# KiCad board 8851_HW-U1-VCU118_REV2-0_071417.kicad_pcb (continued)
## Routing (per net, layer and track width the routed paths; a pad name or vN(x,y) marks a point on that pad's centre or on a via; arc(x,y) is an arc through that point) (continued)
PMBUS_SCL: length 532.6
  TOP w0.138: 139.58,117.05 141.55,117.05 v3(142.19,117.69)
  TOP w0.15: 178.1,44.95 178.75,44.95 178.88,45.08 179.13,45.08 v3(179.76,44.46) ; v3(164.56,139.54) 163.93,138.92 163.93,138.67 164.06,138.54 164.06,137.88 ; U165.12 174.26,42.23 v3(173.82,41.8)
  03_SIG1 w0.17: v3(152.87,111.62) 153.02,111.77 153.55,111.77 154.32,112.54 154.32,114.3 155.45,115.43 157.96,115.43 159.15,116.62 159.82,116.62 164.42,121.23 164.42,128.65 165.77,130 165.77,138.99 165.35,139.41 164.69,139.41 v3(164.56,139.54) ; v3(211.31,50.73) 211.38,50.65 211.38,49.41 211.91,48.88 212.8,48.88 213.3,49.38 213.3,52.48 211.48,54.3 211.48,57.92 210.11,59.29 210.11,59.91 v3(210.19,60) ; v3(176.56,138.85) 176.72,138.69 176.72,137.26 176.15,136.7 176.15,134 177.3,132.85 181.14,132.85 183.65,130.35 185.46,130.35 193.85,121.95 217.99,121.95 222.91,117.03 222.91,115.2 224,114.11 224.45,114.11 224.45,114.11 228.29,114.11 231.46,110.94 232.91,110.94 234.93,108.92 v3(235.75,108.92) ; J39.1 230.57,28 228.61,28 227.71,28.9 226.59,28.9 224.42,31.07 223.91,31.07 v3(223.52,30.68) 223.17,31.03 222.1,31.03 221.61,31.52 211.61,31.52 207.85,27.75 197.45,27.75 195.18,25.48 192.85,25.48 191.5,24.13 188.7,24.13 187.47,25.36 187.47,27.66 186.63,28.49 184.66,28.49 184.07,29.09 184.07,29.73 v3(183.95,29.85)
  05_SIG2 w0.17: v3(47.98,122.12) 47.88,122.02 46.84,122.02 46.27,122.59 46.27,123.42 48.05,125.2 52.23,125.2 54.03,127.01 54.03,127.83 54.35,128.15 55.01,128.81 57.51,128.81 61.96,133.25 61.96,136.53 62.71,137.29 62.71,138.23 v3(62.73,138.24) ; v3(235.75,108.92) 235.66,109.01 235.05,109.01 233.84,107.81 233.84,105.04 233.8,104.99 232.89,104.09 232.89,102.89 231.62,101.62 229.58,101.62 228.39,100.42 228.39,96.42 226.55,94.59 223.14,94.59 222.58,94.02 222.12,94.02 221.65,94.49 220.98,94.49 219.87,93.37 219.87,79.53 219.88,79.52 219.88,79.05 215.8,74.97 215.8,67.12 214.97,66.3 214.4,66.3 210.58,62.47 210.58,62.07 210.06,61.55 210.06,61.25 210.2,61.11 210.26,61.11 210.4,60.97 210.4,60.69 210.26,60.55 210.18,60.55 210.06,60.43 210.06,60.13 v3(210.19,60)
  07_SIG3 w0.17: v3(183.95,29.85) 184.02,29.78 184.02,28.72 183.55,28.25 182.64,28.25 180.82,30.07 180.82,42.3 179.67,43.45 179.67,44.38 v3(179.76,44.46) 179.76,44.68 179.15,45.28 178.96,45.28 178.26,45.98 178.26,47.96 177.71,48.51 177.71,48.93 179.67,50.89 182.18,50.89 183.29,52.01 183.29,53.62 183.98,54.31 187.4,54.31 189.1,52.6 189.1,50.65 190.12,49.63 194.89,49.63 198.96,53.7 206.12,53.7 208.12,51.7 208.3,51.7 208.44,51.56 208.44,50.94 208.66,50.72 209.13,50.72 209.29,50.89 209.29,51.48 209.51,51.7 211.11,51.7 211.51,51.3 211.51,50.93 v3(211.31,50.73) ; v3(176.56,138.85) 176.56,138.01 177.28,137.29 178.39,137.29 179.04,137.94 179.04,139.77 178.72,140.09 178.39,140.43 176.34,140.43 175.85,140.91 165.23,140.91 164.56,140.24 v3(164.56,139.54)
  14_SIG4 w0.087: v3(142.19,117.69) 141.98,117.49 141.98,117.22 142.13,117.08 142.56,117.08 142.73,117.25 142.73,117.77 142.84,117.87 143.25,117.87 144.02,117.1 145.76,117.1 148.61,114.25 148.61,112.46 149.73,111.35 151.22,111.35 151.62,111.75 152.11,111.75 152.28,111.58 152.28,111.13 152.41,110.99 152.68,110.99 152.87,111.19 v3(152.87,111.62)
  BOTTOM w0.15: v3(210.19,60) 209.67,60.52 209.67,61.12 ; v3(173.82,41.8) 173.87,41.84 173.87,42.57 ; v3(47.98,122.12) 47.46,121.6 46.85,121.6 ; 177.08,137.73 177.08,138.33 v3(176.56,138.85) ; v3(62.73,138.24) 63.02,138.24 63.91,139.14 64.59,139.14 68.67,143.22 109.58,143.22 110.92,141.88 110.92,134.15 114.15,130.92 128.72,130.92 132.78,134.98 137.55,134.98 142.53,130.01 142.53,129.51 143.2,128.84 147.9,128.84 148.42,128.32 148.42,125.89 145.46,122.94 145.46,118.76 144.39,117.69 v3(142.19,117.69) 141.72,117.69 141.08,117.05 140.61,117.05 139.63,116.07 R622.2 ; R501.2 v3(223.52,30.68) ; 184.47,28.72 184.47,29.33 v3(183.95,29.85) ; v3(152.87,111.62) 153.39,112.14 154,112.14 ; v3(211.31,50.73) 211.83,50.21 211.83,49.6
  BOTTOM w0.212: 234.32,108.47 235.03,108.47 235.49,108.92 v3(235.75,108.92)
  BOTTOM w0.25: 206.94,58.99 206.94,59.6 207.21,59.87 U6.10
  BOTTOM w0.275: v4(230.32,103.22) 230.49,103.39 U164.12
PMBUS_SDA: length 539
  TOP w0.138: 139.58,116.41 v3(140.94,116.41)
  TOP w0.15: v3(164.56,138.79) 164.56,137.88 ; v3(179.01,44.46) 178.1,44.46 ; U165.11 173.76,42.59 v3(173.01,41.83)
  03_SIG1 w0.17: v3(152.87,112.37) 152.93,112.32 153.32,112.32 153.77,112.77 153.77,114.53 155.22,115.97 157.74,115.97 158.93,117.16 159.59,117.16 163.88,121.45 163.88,128.88 165.23,130.23 165.23,137.2 165.06,137.37 164.26,137.37 164.11,137.52 164.11,137.86 164.29,138.04 165.06,138.04 165.23,138.21 165.23,138.76 165.13,138.86 164.63,138.86 v3(164.56,138.79) ; v3(209.44,60) 209.56,59.88 209.56,59.06 210.93,57.69 210.93,54.07 212.76,52.25 212.76,52 212.61,51.85 211.85,51.85 211.68,51.68 211.68,51.51 211.85,51.34 212.61,51.34 212.76,51.19 212.76,49.6 212.58,49.42 212.13,49.42 211.93,49.63 211.93,50.59 v3(212.06,50.73) ; v3(184.7,29.85) 184.62,29.76 184.62,29.31 184.89,29.04 186.86,29.04 188.01,27.89 188.01,25.59 188.93,24.68 191.15,24.68 193.22,26.75 195.62,26.75 197.18,28.3 207.62,28.3 211.38,32.06 221.84,32.06 222.32,31.57 222.66,31.57 222.77,31.68 222.77,32.22 222.97,32.42 223.33,32.42 223.52,32.23 v3(223.52,31.93) 223.83,31.61 224.64,31.61 226.81,29.45 227.72,29.45 228.68,30.41 230.67,30.41 231.8,29.27 ; v3(235.63,109.66) 235.44,109.47 235.15,109.47 233.14,111.48 231.68,111.48 228.51,114.65 224.22,114.65 223.45,115.42 223.45,117.26 218.22,122.49 194.08,122.49 185.68,130.89 183.87,130.89 181.37,133.39 177.52,133.39 176.69,134.23 176.69,136.47 177.31,137.09 177.31,137.91 177.48,138.08 177.8,138.08 177.93,138.21 177.93,138.72 177.79,138.85 v3(177.31,138.85)
  05_SIG2 w0.17: v3(62.73,139.01) 62.17,138.45 62.17,138.31 61.19,137.33 61.19,136.81 61.41,136.59 61.41,133.48 57.29,129.36 54.78,129.36 53.49,128.06 53.49,127.24 52,125.74 47.82,125.74 45.73,123.65 45.73,122.37 46.62,121.48 47.87,121.48 v3(47.98,121.37) ; v3(209.44,60) 209.51,60.07 209.51,61.06 209.51,61.78 210.03,62.3 210.03,62.7 210.12,62.79 210.12,62.79 210.44,63.11 214.2,66.87 214.75,66.87 215.25,67.37 215.25,75.21 219.32,79.28 219.32,93.6 220.86,95.13 226.32,95.13 227.84,96.65 227.84,100.65 229.35,102.16 231.4,102.16 232.35,103.11 232.35,104.32 233.17,105.13 233.3,105.26 233.3,108.03 234.82,109.56 235.53,109.56 v3(235.63,109.66)
  07_SIG3 w0.17: v3(184.7,29.85) 184.56,29.7 184.56,28.49 183.77,27.71 183.32,27.71 182.42,27.71 180.28,29.85 180.28,42.07 179.13,43.22 179.13,44.34 v3(179.01,44.46) 177.72,45.75 177.72,45.9 177.72,45.9 177.72,47.73 177.17,48.28 177.17,49.16 179.44,51.43 181.95,51.43 182.75,52.23 182.75,53.85 183.75,54.85 187.62,54.85 189.65,52.83 189.65,50.88 190.35,50.18 194.67,50.18 198.42,53.93 198.74,54.25 206.35,54.25 208.35,52.25 211.33,52.25 212.06,51.52 v3(212.06,50.73) ; v3(164.56,138.79) 164.79,138.79 165.1,139.1 165.1,139.53 165.23,139.66 165.64,139.66 165.94,139.96 165.94,140.24 166.07,140.36 175.63,140.36 176.11,139.88 176.22,139.88 176.36,139.74 176.36,139.48 176.48,139.36 176.68,139.36 176.83,139.51 176.83,139.76 176.95,139.88 177.22,139.88 177.35,139.75 177.35,139.5 177.45,139.4 177.71,139.4 177.8,139.5 177.8,139.76 177.92,139.88 178.16,139.88 178.5,139.55 178.5,139.26 178.37,139.13 178,139.13 177.85,138.98 177.85,138.7 178.04,138.51 178.41,138.51 178.5,138.42 178.5,138.17 178.16,137.83 177.51,137.83 177.15,138.2 177.15,138.69 v3(177.31,138.85)
  14_SIG4 w0.087: v3(152.87,112.37) 152.63,112.37 152.5,112.25 151.41,112.25 151.01,111.85 149.93,111.85 149.11,112.67 149.11,114.05 149.11,114.46 145.97,117.6 144.22,117.6 143.45,118.37 142.17,118.37 141.98,118.19 141.44,117.64 141.44,116.91 v3(140.94,116.41)
  BOTTOM w0.15: 209.18,61.12 209.18,60.26 v3(209.44,60) ; 184.97,28.72 184.97,29.56 184.95,29.6 v3(184.7,29.85) ; R502.2 v3(223.52,31.93) ; v3(177.31,138.85) 177.57,138.59 177.57,137.73 ; v3(47.98,121.37) 47.72,121.11 46.85,121.11 ; 172.87,42.57 173.01,42.43 v3(173.01,41.83) ; 212.32,49.6 212.32,50.46 v3(212.06,50.73) ; 154,112.63 153.14,112.63 v3(152.87,112.37) ; R621.2 139.47,114.94 v3(140.94,116.41) 141.68,117.15 145.53,117.15 146.57,118.2 146.57,123.55 148.77,125.75 148.77,128.55 148.07,129.25 143.29,129.25 142.88,129.66 142.88,130.16 137.59,135.44 132.75,135.44 128.58,131.27 114.3,131.27 111.28,134.29 111.28,142.08 109.67,143.68 68.48,143.68 64.29,139.49 63.77,139.49 63.29,139.01 v3(62.73,139.01)
  BOTTOM w0.212: v3(235.63,109.66) 234.93,108.96 234.32,108.96
  BOTTOM w0.25: 155,108.15 155,109.69 155.64,110.32 U9.11 ; 208.07,58.99 207.7,59.35 U6.11 ; U164.11 229.99,103.76 228.54,102.3
PMOD0_0: length 12.5
  03_SIG1 w0.17: v3(220.45,73.77) 220.45,73.19 220.64,73 221.09,73 221.3,73.21 221.3,73.64 221.47,73.81 221.98,73.81 222.13,73.66 222.13,72.87 222.31,72.68 222.72,72.68 222.89,72.86 222.89,73.49 223.06,73.66 223.47,73.66 223.64,73.49 223.64,72.98 223.93,72.68 226.33,72.68 227.55,71.47
  BOTTOM w0.15: U41.18 v3(220.45,73.77)
PMOD0_0_LS: length 176.5
  TOP w0.15: v2(133.11,54.96) 132.62,55.46
  07_SIG3 w0.17: v3(208.38,77.94) 206.92,76.48 191.14,76.48 189.79,75.14 189.79,74.9 190.26,74.43 190.26,74.19 189.9,73.83 189.66,73.83 189.19,74.3 188.95,74.3 186.41,71.75 184.65,71.75 183.36,70.46 183.36,70.22 183.67,69.9 183.67,69.66 183.31,69.3 183.07,69.3 182.76,69.62 182.52,69.62 182.15,69.26 182.15,69.02 182.47,68.7 182.47,68.46 182.11,68.1 181.87,68.1 181.55,68.42 181.31,68.42 180.95,68.06 180.95,67.82 181.27,67.5 181.27,67.26 180.91,66.9 180.67,66.9 180.35,67.22 180.11,67.22 179.22,66.32 179.22,65.96 175.22,61.96 175.22,60.11 168.64,53.53 168.64,52.32 167.03,50.7 167.03,45.77 168.57,44.22 168.57,41.71 168.95,41.33 168.95,33.35 168.14,32.54 168.14,28.33 164.3,24.49 158.36,24.49 157.73,23.86 155.72,23.86 154.71,22.85 150.15,22.85 148.68,24.33 144.68,24.33 142.97,26.03 137.6,26.03 137.03,25.45 134.97,25.45 134.4,26.03 132.43,26.03 131.72,25.32 127.05,25.32 v3(126.99,25.38)
  20_SIG7 w0.087: v2(133.11,54.96) 133.6,54.47 133.6,51.81 133.89,51.52 134.3,51.52 134.58,51.23 134.58,50.82 134.87,50.53 135.28,50.53 135.57,50.25 135.57,47.74 135.37,47.55 134.89,47.55 134.63,47.3 134.63,46.94 134.37,46.68 133.92,46.68 133.57,46.33 133.57,39.43 128.78,34.63 128.78,29.28 126.46,26.97 126.46,25.71 126.55,25.62 126.74,25.62 v3(126.99,25.38)
  BOTTOM w0.15: 213.5,70.58 212.27,70.58 211.92,70.92 210.38,70.92 208.22,73.08 208.22,77.78 v3(208.38,77.94)
PMOD0_1: length 24.6
  03_SIG1 w0.17: v3(218.05,73.13) 218.05,73.45 220.27,75.67 225.85,75.67 227.55,73.97 ; 225.05,71.47 225.05,70.58 224.69,70.22 224.1,70.22 223.69,70.63 222.72,70.63 222.63,70.55 222.63,70.23 222.47,70.07 222.04,70.07 221.9,70.22 221.9,71.1 222.03,71.23 222.55,71.23 222.71,71.39 222.71,71.69 222.54,71.86 221.35,71.86 221.16,71.67 221.16,70.88 220.92,70.63 220.62,70.63 220.45,70.8 v3(220.45,71.22)
  BOTTOM w0.15: 219.25,71.22 v3(220.45,71.22) ; U41.17 v3(218.05,73.13)
PMOD0_1_LS: length 178
  TOP w0.15: v2(133.11,55.95) 132.62,56.44
  07_SIG3 w0.17: v3(210.23,78.57) 197.91,78.57 197.74,78.4 197.74,77.97 197.58,77.82 197.07,77.82 196.89,78 196.89,78.4 196.72,78.57 196.21,78.57 196.04,78.4 196.04,77.45 195.87,77.28 195.36,77.28 195.19,77.45 195.19,78.4 195.02,78.57 194.51,78.57 194.34,78.4 194.34,77.45 194.17,77.28 193.66,77.28 193.49,77.45 193.49,78.4 193.32,78.57 191.77,78.57 185.87,72.67 184.3,72.67 172.05,60.42 172.05,58.45 166.43,52.82 166.43,44.5 167.34,43.59 167.34,38.95 166.43,38.04 166.43,32 165.61,31.18 165.61,27.11 163.6,25.1 160.02,25.1 159.86,25.26 155.55,25.26 155.22,24.93 152.78,24.93 151.82,23.98 149.95,23.98 148.99,24.93 144.99,24.93 142.57,27.35 137.07,27.35 136.85,27.12 128.31,27.12 127.36,26.17 v3(127.36,26.07)
  20_SIG7 w0.087: v2(133.11,55.95) 133.11,55.62 133.63,55.1 133.63,54.77 133.9,54.5 134.22,54.5 134.61,54.11 134.61,51.82 134.88,51.55 135.21,51.55 135.54,51.22 135.54,50.89 135.87,50.56 136.26,50.56 136.55,50.27 136.55,47.86 136.22,47.52 135.84,47.52 135.56,47.24 135.56,46.84 135.27,46.55 134.84,46.55 134.6,46.31 134.6,39.69 129.43,34.51 129.43,29.16 127.36,27.1 v3(127.36,26.07)
  BOTTOM w0.15: 213.5,71.22 212.13,71.22 212.07,71.27 210.9,71.27 208.58,73.59 208.58,76.93 v3(210.23,78.57)
PMOD0_2: length 24.8
  03_SIG1 w0.17: 225.05,68.97 222.92,68.97 222.47,69.42 220.06,69.42 219.86,69.22 219.86,68.75 219.68,68.57 218.89,68.57 218.63,68.84 218.63,70.14 219.3,70.81 219.3,71.62 219.06,71.86 v3(218.05,71.86)
  05_SIG2 w0.17: v3(220.45,72.49) 220.45,73 220.65,73.2 221.65,73.2 222.1,72.75 222.1,69.48 223.41,68.16 223.41,66.95 223.89,66.47 225.05,66.47
  BOTTOM w0.15: 219.25,71.86 v3(218.05,71.86) ; U41.16 v3(220.45,72.49)
PMOD0_2_LS: length 175.9
  TOP w0.15: v2(132.12,55.95) 131.63,56.44
  07_SIG3 w0.17: v3(125.82,24.77) 132.42,24.77 132.62,24.98 133.51,24.98 133.58,24.91 137.25,24.91 137.83,25.48 142.75,25.48 144.4,23.83 148.26,23.83 150.25,21.83 157.34,21.83 157.61,21.56 157.61,21.15 157.92,20.84 158.62,20.84 158.99,20.48 160.03,20.48 160.39,20.84 162.11,20.84 163.55,22.28 166.19,22.28 167.48,23.57 168.98,23.57 171.06,25.65 171.06,26.71 173.95,29.6 174.83,29.6 178.4,33.17 178.4,41.58 177.33,42.65 175.78,42.65 174.65,43.78 173.65,43.78 173.24,44.19 173.24,47.38 173.76,47.9 173.76,49.28 172.82,50.22 172.82,52.43 176.24,55.84 179.73,55.84 183.58,59.7 183.58,61.41 190.87,68.69 194.52,68.69 199.87,74.04 207.62,74.04 v3(209.24,75.67)
  20_SIG7 w0.087: v3(125.82,24.77) 125.82,27.11 128.22,29.5 128.22,34.85 132.62,39.25 132.62,46.31 132.9,46.6 133.3,46.6 133.58,46.89 133.58,47.26 133.81,47.48 134.37,47.48 134.58,47.69 134.58,50.25 134.3,50.53 133.89,50.53 133.6,50.82 133.6,51.23 133.31,51.52 132.9,51.52 132.62,51.81 132.62,55.46 v2(132.12,55.95)
  BOTTOM w0.15: 213.5,71.86 211.57,71.86 209.24,74.18 v3(209.24,75.67)
PMOD0_3_LS: length 177
  TOP w0.15: v2(131.14,55.95) 130.65,56.44
  07_SIG3 w0.17: v3(124.77,23.61) 131.36,23.61 133.1,21.88 137.68,21.88 138.25,22.45 139.12,22.45 139.78,23.1 141.05,23.1 141.68,22.48 143.88,22.48 146.45,19.9 154.35,19.9 154.74,19.51 157.23,19.51 157.53,19.21 157.53,18.79 157.85,18.46 159.18,18.46 159.93,17.72 164.77,17.72 165.5,18.45 165.5,19.85 166.94,21.29 166.94,21.46 167.67,22.19 168.31,22.19 168.52,21.98 170.68,21.98 172.19,23.49 172.19,26.07 174.4,28.28 175.05,28.28 179.65,32.88 179.65,41.87 179.13,42.39 177.78,43.74 177.64,43.74 177.16,44.21 177.16,47.39 176.1,48.46 176.1,51.98 178.75,54.62 180.05,54.62 180.18,54.75 181.88,56.45 185.41,56.45 186.84,57.88 187.39,57.88 190.13,60.63 190.13,63.36 193.47,66.71 195.16,66.71 201.27,72.82 208.09,72.82 210.44,75.17 v3(210.44,75.55)
  20_SIG7 w0.087: v3(124.77,23.61) 124.75,23.63 124.75,28.08 126.09,29.41 126.09,30.39 126.83,31.12 126.83,35 130.65,38.82 130.65,46.42 130.85,46.62 131.36,46.62 131.64,46.89 131.64,47.4 131.87,47.63 132.47,47.63 132.62,47.78 132.62,50.3 132.38,50.53 131.92,50.53 131.63,50.82 131.63,51.26 131.53,51.36 131.53,55.55 v2(131.14,55.95)
  BOTTOM w0.15: v3(210.44,75.55) 210.44,74.18 212.12,72.49 213.5,72.49
PMOD0_4_LS: length 179.6
  TOP w0.15: 130.65,57.42 130.65,57.42 v2(131.14,56.93)
  07_SIG3 w0.17: v3(125.25,24.18) 132,24.18 132.57,23.6 133.93,23.6 134.4,24.08 138.03,24.08 138.68,24.73 140.4,24.73 141.95,23.18 143.92,23.18 146.7,20.4 154.47,20.4 154.96,20.88 157.04,20.88 157.53,20.4 157.53,20.16 158.68,19.01 159.41,19.01 159.78,18.64 163.52,18.64 166.32,21.45 166.32,21.63 167.72,23.03 170.48,23.03 171.6,24.15 171.6,26.31 174.35,29.06 175.06,29.06 179.07,33.08 179.07,41.67 178.52,42.23 177.55,43.2 177.05,43.2 175.87,44.38 175.87,46.46 175.37,46.96 175.37,48.69 173.37,50.69 173.37,52.06 176.6,55.3 179.96,55.3 180.28,55.62 181.7,57.04 185.23,57.04 186.61,58.43 186.92,58.43 189.32,60.83 189.32,63.33 193.52,67.52 194.36,67.52 200.33,73.5 207.85,73.5 209.81,75.47 209.81,75.86 210.14,76.18 210.69,76.18 v3(211.37,75.5)
  20_SIG7 w0.087: v2(131.14,56.93) 131.73,56.34 131.73,51.75 131.96,51.52 132.33,51.52 132.62,51.23 132.62,50.82 132.9,50.53 133.31,50.53 133.6,50.25 133.6,47.84 133.4,47.65 132.99,47.65 132.59,47.24 132.59,46.91 132.34,46.67 131.8,46.67 131.63,46.5 131.63,39.03 127.44,34.84 127.44,29.49 125.25,27.3 v3(125.25,24.18)
  BOTTOM w0.15: 213.5,73.13 211.98,73.13 211.37,73.74 v3(211.37,75.5)
PMOD0_5: length 11.7
  03_SIG1 w0.17: v3(218.05,70.58) 217.48,71.14 217.48,72.09 217.94,72.55 218.39,72.55 220.29,74.44 223.63,74.44 224.11,73.97 225.05,73.97
  BOTTOM w0.15: U41.13 v3(218.05,70.58)
PMOD0_5_LS: length 181.6
  TOP w0.15: 129.66,57.42 129.66,57.42 v2(130.15,56.93)
  07_SIG3 w0.17: v3(159.28,21.1) 159.88,21.1 160.16,21.39 161.85,21.39 163.29,22.83 165.96,22.83 167.25,24.12 168.75,24.12 170.51,25.88 170.51,26.93 173.73,30.15 174.6,30.15 175.56,31.1 175.56,33.04 177.5,34.98 177.5,39.7 177.05,40.15 174.32,40.15 173.35,41.12 171.82,41.12 171.5,41.45 171.5,42.2 172.69,43.39 172.69,47.6 173.21,48.13 173.21,49.05 172.28,49.99 172.28,53.14 176.72,57.58 176.96,57.58 177.31,57.23 177.56,57.23 177.92,57.59 177.92,57.83 177.56,58.18 177.56,58.42 178.96,59.82 178.96,60.52 180.65,62.22 183.26,62.22 191.33,70.28 191.57,70.28 192.4,69.45 192.68,69.45 193.02,69.8 193.02,70.04 192.17,70.89 192.17,71.13 192.53,71.49 192.77,71.49 194.46,69.8 194.73,69.8 195.07,70.15 195.07,70.39 193.37,72.09 193.37,72.33 193.73,72.69 193.97,72.69 195.59,71.07 195.91,71.07 196.23,71.39 196.23,71.63 194.57,73.29 194.57,73.53 195.63,74.59 196.23,74.59 196.4,74.42 196.4,72.68 196.62,72.46 197.08,72.46 197.25,72.63 197.25,74.42 197.42,74.59 197.93,74.59 198.1,74.42 198.1,73.96 198.27,73.79 198.78,73.79 198.95,73.96 198.95,74.42 199.12,74.59 207.39,74.59 209.67,76.86 211.21,76.86 v3(211.78,76.3)
  16_SIG5 w0.087: v3(159.28,21.1) 159.9,21.1 160.72,21.93 160.72,23.2 157.62,26.3 151.65,26.3 148.53,29.43 146.75,29.43 137.2,38.98 134.15,38.98 131.63,41.49 131.63,46.46 131.49,46.61 131,46.61 130.75,46.86 130.75,48.24 130.38,48.62 130.07,48.62 129.77,48.91 129.77,49.28 129.39,49.66 128.96,49.66 128.78,49.85 128.78,55.15 128.99,55.36 129.45,55.36 129.76,55.67 129.76,56.54 v2(130.15,56.93)
  BOTTOM w0.15: v3(211.78,76.3) 211.78,75.8 211.91,75.67 211.91,73.92 212.06,73.77 213.5,73.77
PMOD0_6: length 15.3
  05_SIG2 w0.17: v3(218.05,74.41) 219.4,75.76 220.96,75.76 223.85,72.87 223.85,70.77 224.4,70.22 226.3,70.22 227.55,68.97
  BOTTOM w0.15: 219.25,74.41 v3(218.05,74.41)
PMOD0_6_LS: length 179.2
  TOP w0.15: v2(129.17,55.95) 128.68,56.44
  07_SIG3 w0.17: v3(212.25,77.3) 211.64,77.3 211.49,77.45 209.49,77.45 207.17,75.13 195.41,75.13 183.04,62.76 180.42,62.76 178.41,60.75 178.41,60.04 171.1,52.73 171.1,52.49 171.66,51.93 171.66,51.69 171.3,51.33 171.06,51.33 170.5,51.89 170.25,51.89 169.89,51.53 169.89,51.29 170.72,50.46 170.72,50.19 170.37,49.85 170.13,49.85 169.61,50.37 169.22,50.37 169,50.14 169,49.04 169.17,48.87 169.66,48.87 169.83,48.7 169.83,48.19 169.66,48.02 169.17,48.02 169,47.85 169,47.34 169.17,47.17 169.97,47.17 170.14,47 170.14,46.49 169.97,46.32 169.17,46.32 169,46.15 169,45.64 169.17,45.47 170,45.47 170.25,45.72 171,45.72 171.18,45.9 171.18,46.4 171.35,46.58 171.85,46.58 172.05,46.38 172.05,44.5 171.85,44.3 170.17,44.3 169.81,43.94 169.81,42.67 170.09,42.38 170.09,34.43 171.2,33.33 172.68,33.33 173.03,32.98 173.03,30.22 172.76,29.95 172.51,29.95 171.97,30.5 171.7,30.5 171.37,30.16 171.37,29.89 171.91,29.35 171.91,29.1 169.93,27.12 169.93,26.16 169.5,25.74 169.26,25.74 168.62,26.39 168.38,26.39 168.02,26.03 168.02,25.79 168.66,25.14 168.66,24.9 168.42,24.66 167.41,24.66 167.04,25.04 166.61,25.04 165.83,24.25 165.83,24.07 165.14,23.37 160.64,23.37 159.68,22.41 159.68,21.84 159.48,21.65 158.41,21.65 v3(158.12,21.36)
  16_SIG5 w0.087: v2(129.17,55.95) 128.88,55.95 128.4,55.47 127.96,55.47 127.78,55.3 127.78,49.67 127.91,49.54 128.47,49.54 128.71,49.3 128.71,48.75 128.92,48.54 129.45,48.54 129.66,48.33 129.66,41.14 132.43,38.38 136.93,38.38 146.6,28.7 148.55,28.7 151.41,25.84 157.39,25.84 157.65,25.58 157.65,25.45 157.57,25.38 157.57,25.25 157.82,25.01 157.94,25.01 158.02,25.08 158.14,25.08 158.39,24.84 158.39,24.71 158.31,24.64 158.31,24.51 158.56,24.26 158.68,24.26 158.76,24.34 158.88,24.34 159.49,23.73 159.49,21.92 159.18,21.6 158.36,21.6 v3(158.12,21.36)
  BOTTOM w0.15: 213.5,74.41 212.51,74.41 212.33,74.6 212.33,76.46 212.25,76.53 v3(212.25,77.3)
  BOTTOM w0.375: U41.9 v3(214.62,69.94)
PMOD0_7: length 13.8
  05_SIG2 w0.17: 227.55,66.47 226.32,67.7 224.75,67.7 222.64,69.81 222.64,73.16 221.87,73.94 221.57,73.94 v3(220.45,75.05)
  BOTTOM w0.15: 219.25,75.05 v3(220.45,75.05)
PMOD0_7_LS: length 177.2
  TOP w0.15: v2(129.17,56.93) 128.68,57.42 128.68,57.42
  07_SIG3 w0.17: v3(159.02,22.19) 159.02,22.75 160.19,23.92 164.54,23.92 168.01,27.39 168.96,27.39 170.5,28.92 170.5,32.95 169.51,33.93 169.51,41.94 169.16,42.29 169.16,44.6 168.45,45.31 168.45,50.98 175.85,58.39 175.85,61.72 178.21,64.07 179.74,64.07 181.59,65.92 181.83,65.92 183.23,64.51 183.47,64.51 183.83,64.88 183.83,65.12 182.43,66.52 182.43,66.76 182.79,67.12 183.03,67.12 184.43,65.72 184.67,65.72 185.03,66.08 185.03,66.32 183.63,67.72 183.63,67.96 183.99,68.32 184.23,68.32 185.63,66.92 185.95,66.92 186.26,67.23 186.26,67.47 185.39,68.34 185.39,68.58 185.75,68.94 185.99,68.94 186.86,68.07 187.1,68.07 187.46,68.43 187.46,68.67 186.59,69.54 186.59,69.78 186.95,70.14 187.19,70.14 188.06,69.27 188.3,69.27 188.66,69.63 188.66,69.87 187.79,70.74 187.79,70.98 188.15,71.34 188.39,71.34 189.26,70.47 189.5,70.47 194.71,75.68 206.89,75.68 209.23,78.02 212.51,78.02 213.15,77.38 v3(213.15,76.79)
  16_SIG5 w0.087: v2(129.17,56.93) 128.61,56.37 127.86,56.37 127.61,56.12 127.61,48.85 127.85,48.6 128.47,48.6 128.68,48.39 128.68,40.79 131.75,37.73 136.78,37.73 146.53,27.98 148.6,27.98 151.2,25.38 156.7,25.38 157.39,24.69 157.39,24.57 156.73,23.91 156.73,23.79 156.98,23.54 157.11,23.54 157.76,24.19 157.88,24.19 159.02,23.05 v3(159.02,22.19)
  BOTTOM w0.15: v3(213.15,76.79) 213.15,76.06 212.72,75.64 212.72,75.22 212.9,75.05 213.5,75.05
  BOTTOM w0.375: U41.10 214.25,69.3 v3(214.62,68.92)
PMOD1_0: length 13.3
  03_SIG1 w0.17: v3(228.23,88.02) 227.7,88.56 226.37,88.56 226.24,88.7 226.24,89.05 226.4,89.22 227.7,89.22 227.87,89.38 227.87,89.88 228.03,90.05 229.47,90.05 229.71,89.8 229.71,89.41 229.83,89.29 230.21,89.29 230.35,89.43 230.35,89.93 230.47,90.05 231.1,90.05 231.23,90.17 J53.1
  BOTTOM w0.15: 228.87,85.58 228.87,87.39 v3(228.23,88.02)
PMOD1_0_LS: length 256
  TOP w0.15: v2(105.55,69.73) 106.04,69.24
  14_SIG4 w0.087: v3(228.25,77.15) 228.25,77.53 228.11,77.66 227.68,77.66 227.55,77.53 227.55,76.45 227.22,76.12 217.9,76.12 216.05,74.27 203.73,74.27 201.08,71.62 200.9,71.62 200.59,71.93 200.59,72.11 201.27,72.78 201.27,72.96 201.01,73.22 200.83,73.22 200.16,72.54 199.98,72.54 199.76,72.76 199.59,72.76 199.33,72.5 199.33,72.33 200.47,71.19 200.47,71.01 200.21,70.75 200.04,70.75 198.9,71.89 198.73,71.89 198.47,71.63 198.47,71.46 199.61,70.32 199.61,70.15 199.06,69.61 198.6,69.61 198.48,69.73 198.48,70.69 198.36,70.82 197.99,70.82 197.87,70.69 197.87,69.73 197.74,69.61 190.11,69.61 182.19,61.68 182.19,59.41 181.15,58.37 181.15,54.79 181.15,54.38 180.75,53.98 180.75,49.94 181.58,49.11 181.58,48.51 180.46,47.39 180.46,46.72 181.74,45.44 181.74,43.06 180.73,42.05 180.73,28.47 177.61,25.36 177.61,23.79 170.75,16.92 166.8,16.92 164.78,14.9 162.6,14.9 162.36,15.14 156.9,15.14 156.2,14.44 137.54,14.44 134.73,17.26 133.89,17.26 132.72,18.43 127.6,18.43 125.38,20.65 122.08,20.65 118.55,24.18 118,24.18 117.58,23.75 v3(117.58,23.7)
  18_SIG6 w0.087: v3(117.58,23.7) 117.45,23.58 114.73,23.58 113.66,24.65 111.26,24.65 109.22,26.69 108.58,26.69 108.36,26.47 108.36,25.84 108.18,25.67 107.13,25.67 106.99,25.81 106.99,26.79 106.75,27.02 105.21,27.02 104.91,26.72 103.86,26.72 102.98,27.6 102.98,28.09 103.06,28.17 103.89,28.17 104.38,28.66 104.38,29.11 103.27,30.22 102.27,30.22 100.98,31.5 100.98,32.4 100.13,33.25 100.13,33.58 100.3,33.75 101.52,33.75 101.7,33.93 101.7,34.44 101.55,34.6 100.3,34.6 100.13,34.77 100.13,35.28 100.3,35.45 101.52,35.45 101.7,35.63 101.7,36.14 101.55,36.3 100.3,36.3 100.13,36.47 100.13,36.98 100.3,37.15 101.71,37.15 101.88,37.32 101.88,37.83 101.71,38 100.3,38 100.13,38.17 100.13,57.14 100.42,57.42 100.83,57.42 101.12,57.71 101.12,58.23 101.32,58.43 101.8,58.43 102,58.63 102,60.15 102.33,60.48 102.78,60.48 102.99,60.68 102.99,61.14 103.3,61.46 103.75,61.46 103.97,61.68 103.97,62.12 104.29,62.44 104.73,62.44 104.96,62.67 104.96,63.11 105.28,63.43 105.72,63.43 105.94,63.65 105.94,64.37 106.93,65.36 106.93,68.04 106.71,68.25 106.33,68.25 106.14,68.44 106.14,69.14 v2(105.55,69.73)
  BOTTOM w0.15: v3(228.25,77.15) 228.87,77.77 228.87,79.83
PMOD1_1: length 29.2
  03_SIG1 w0.17: v3(225.68,88.02) 225.68,89.42 226.84,90.59 230.87,90.59 231.67,91.39 233.58,91.39 J53.3 ; 232.3,87.67 231.07,86.45 231.07,84.82 230.9,84.65 229.19,84.65 229.03,84.81 229.03,85.19 229.19,85.35 229.79,85.35 229.96,85.52 229.96,85.87 229.79,86.04 228.56,86.04 228.4,85.88 228.4,84.85 228.2,84.65 227.8,84.65 227.61,84.84 227.61,86.5 227.89,86.77 v3(228.23,86.77)
  BOTTOM w0.15: 226.32,85.58 226.32,87.39 v3(225.68,88.02) ; 228.23,85.58 v3(228.23,86.77)
PMOD1_1_LS: length 254
  TOP w0.15: 105.06,71.2 v2(104.56,71.7)
  14_SIG4 w0.087: v3(118.34,23.68) 121.87,20.15 125.17,20.15 127.52,17.8 128.73,17.8 131.41,15.12 132.31,15.12 133.44,13.98 156.39,13.98 156.55,13.83 157.53,13.83 158.35,14.65 161.93,14.65 162.9,13.68 170.98,13.68 174.02,16.72 174.04,16.72 175.49,18.17 175.49,18.34 174.51,19.31 174.51,19.49 174.86,19.83 175.03,19.83 176.01,18.86 176.18,18.86 176.53,19.21 176.53,19.38 175.55,20.35 175.55,20.53 175.9,20.87 176.07,20.87 177.05,19.9 177.22,19.9 177.57,20.25 177.57,20.42 176.59,21.39 176.59,21.57 176.94,21.91 177.11,21.91 178.09,20.94 178.26,20.94 178.6,21.29 178.6,21.46 177.63,22.43 177.63,22.61 177.98,22.95 178.15,22.95 179.12,21.98 179.3,21.98 180.47,23.16 180.47,27.49 181.24,28.25 181.24,41.89 182.6,43.25 182.6,45.75 181.7,46.65 181.7,47.85 182.05,48.19 182.05,50.43 182.86,51.25 182.86,54.33 181.65,55.55 181.65,58.14 183.6,60.09 183.6,61.92 190.81,69.13 192.67,69.13 194.1,67.7 198.08,67.7 204.15,73.76 216.36,73.76 216.67,74.07 216.84,74.07 216.95,73.96 217.12,73.96 217.38,74.22 217.38,74.39 217.28,74.5 217.28,74.68 218.17,75.58 218.56,75.58 218.68,75.45 218.68,75.05 218.81,74.93 219.17,74.93 219.3,75.05 219.3,75.45 219.42,75.58 227.55,75.58 228.75,76.77 228.75,77.73 228.23,78.24 v3(228.23,78.62)